# KiCad board EngineController.kicad_pcb (continued)
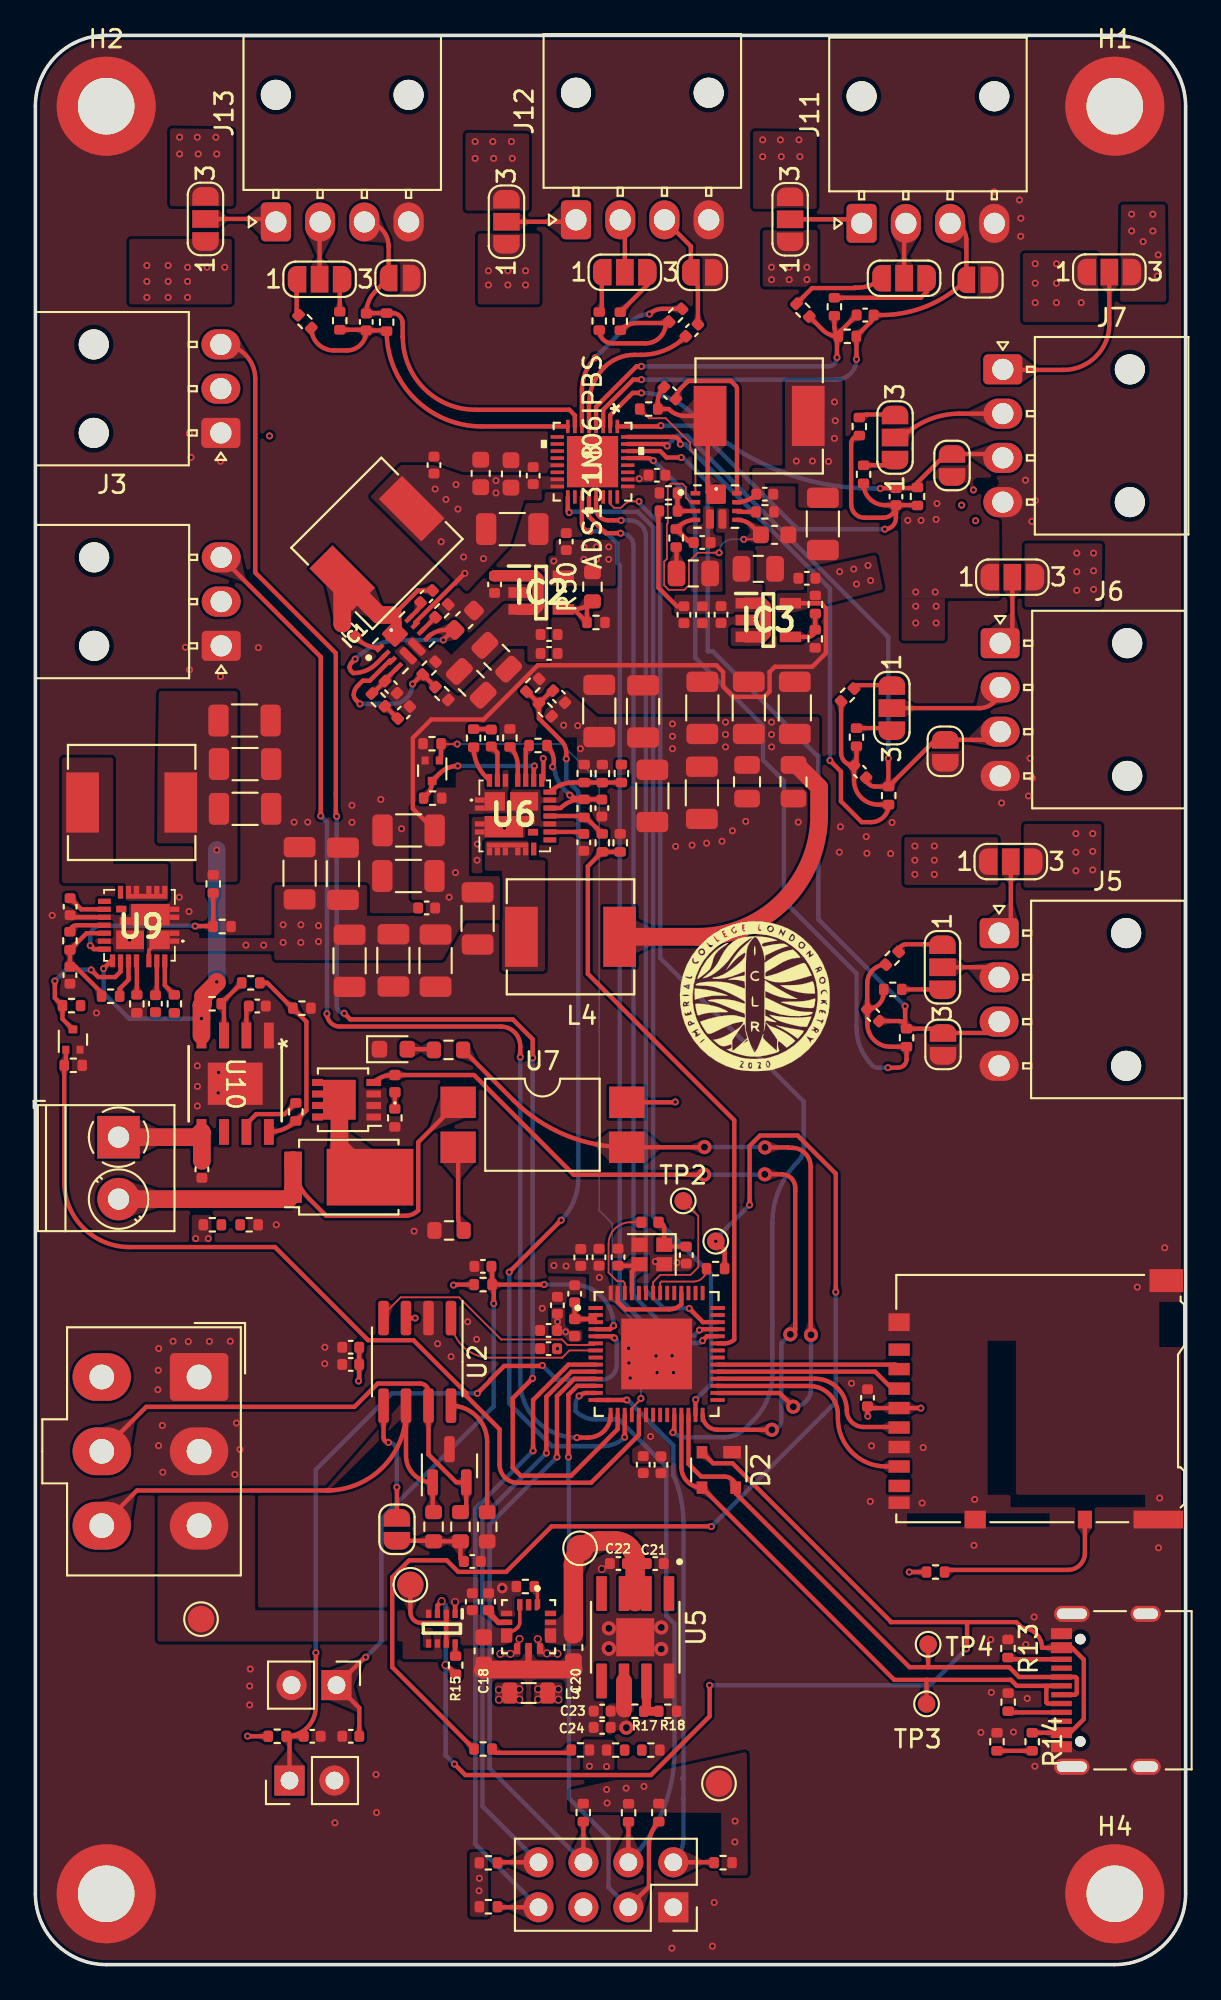
[diagram p0: board, top side]
## Footprints (pads in the part's own frame, mm; a bottom-side part is the same pattern mirrored in y, then rotated)
ADS131M06IRSNR
  rect 0.757x0.204 smd: 1(-1.992,1.4) 2(-1.992,1) 3(-1.992,0.6) 4(-1.992,0.2) 5(-1.992,-0.2) 6(-1.992,-0.6) 7(-1.992,-1) 8(-1.992,-1.4) 17(1.992,-1.4) 18(1.992,-1) 19(1.992,-0.6) 20(1.992,-0.2) 21(1.992,0.2) 22(1.992,0.6) 23(1.992,1) 24(1.992,1.4)
  rect 0.204x0.757 smd: 9(-1.4,-1.992) 10(-1,-1.992) 11(-0.6,-1.992) 12(-0.2,-1.992) 13(0.2,-1.992) 14(0.6,-1.992) 15(1,-1.992) 16(1.4,-1.992) 25(1.4,1.992) 26(1,1.992) 27(0.6,1.992) 28(0.2,1.992) 29(-0.2,1.992) 30(-0.6,1.992) 31(-1,1.992) 32(-1.4,1.992)
  rect 2.896x2.896 smd: 33(0,0)
C_0402_1005Metric
  rrect 0.56x0.62 smd: 1(-0.48,0) 2(0.48,0)
C_0603_1608Metric
  rrect 0.9x0.95 smd: 1(-0.775,0) 2(0.775,0)
C_0805_2012Metric
  rrect 1x1.45 smd: 1(-0.95,0) 2(0.95,0)
C_1206_3216Metric
  rrect 1.15x1.8 smd: 1(-1.475,0) 2(1.475,0)
CONV_MAX77827AEFD+T
  custom 0.635x0.31 smd: 1(-1.3,0.5) 2(-1.3,0) 3(-1.3,-0.5)
  custom 0.31x0.635 smd: 4(-0.8,-1.2) 5(-0.3,-1.2) 13(-0.3,1.3) 14(-0.8,1.3)
  custom 0.81x0.635 smd: 6(0.3,-1.2) 11(0.5,1.3)
  custom 0.635x0.36 smd: 8(1.1,-0.6) 9(1.1,0) 10(1.1,0.7)
Crystal_SMD_2016-4Pin_2.0x1.6mm
  rect 0.9x0.8 smd: 1(-0.7,-0.55) 2(0.7,-0.55) 3(0.7,0.55) 4(-0.7,0.55)
IC_TPS61089RNRR
  rrect 0.55x0.25 smd: 1(-1.175,0.75) 2(-1.175,0.25) 3(-1.175,-0.25) 4(-1.175,-0.75) 7(1.175,-0.75) 8(1.175,-0.25) 9(1.175,0.25) 10(1.175,0.75)
  rrect 0.45x1.1 smd: 5(-0.35,-0.7) 6(0.35,-0.7)
  rrect 1.1x1.1 smd: 11(0,0.7)
  round 0.3 hole 0.2: 12(0,1)
IND_SRP6540-390M
  rect 1.85x3.4 smd: 1(-2.775,0) 2(2.775,0)
L_0402_1005Metric
  rrect 0.59x0.64 smd: 1(-0.485,0) 2(0.485,0)
L_0805_2012Metric
  rrect 0.875x1.2 smd: 1(-1.062,0) 2(1.062,0)
LED_0402_1005Metric
  rrect 0.59x0.64 smd: 1(-0.485,0) 2(0.485,0)
LED_0603_1608Metric
  rrect 0.875x0.95 smd: 1(-0.787,0) 2(0.787,0)
LFPAK33
  rect 0.83x0.3 smd: (-1.535,0.975) (-1.535,0.325) (-1.535,-0.325) (-1.535,-0.975)
  rect 0.51x0.635 smd: (-0.215,0.626) (-0.215,-0.626) (0.645,0.626) (0.645,-0.626)
  rect 0.75x0.3 smd: (1.575,0.975) (1.575,0.325) (1.575,-0.325) (1.575,-0.975)
  rect 0.83x0.4 smd: 1(-1.535,0.975) 2(-1.535,0.325) 3(-1.535,-0.325) 4(-1.535,-0.975)
  custom 2.47x2.35 smd: 5(0.405,0)
microSD_HC_Hirose_DM3AT-SF-PEJM5
  rect 0.7x1.2 smd: 1(2.775,7.725) 2(1.675,7.725) 3(0.575,7.725) 4(-0.525,7.725) 5(-1.625,7.725) 6(-2.725,7.725) 7(-3.825,7.725) 8(-4.925,7.725) 9(-5.875,7.725)
  rect 1x0.8 smd: 10(-6.825,-2.775)
  rect 1x1.2 smd: 11(-6.825,3.425) 11(4.325,7.725)
  rect 1x2.8 smd: 11(-6.825,-6.925)
  rect 1.3x1.9 smd: 11(6.675,-7.375)
Molex_Mini-Fit_Jr_5566-06A_2x03_P4.20mm_Vertical
  rrect 2.7x3.3 hole 1.4: 1(0,0)
  oval 2.7x3.3 hole 1.4: 2(4.2,0) 3(8.4,0) 4(0,-5.5) 5(4.2,-5.5) 6(8.4,-5.5)
Molex_Nano-Fit_105313-xx03_1x03_P2.50mm_Horizontal
  round 1.7 hole 1.7 unplated: (7.18,0) (7.18,-5)
  rrect 2.2x1.7 hole 1.2: 1(0,0)
  oval 2.2x1.7 hole 1.2: 2(0,-2.5) 3(0,-5)
Molex_Nano-Fit_105313-xx04_1x04_P2.50mm_Horizontal
  round 1.7 hole 1.7 unplated: (7.18,0) (7.18,-7.5)
  rrect 2.2x1.7 hole 1.2: 1(0,0)
  oval 2.2x1.7 hole 1.2: 2(0,-2.5) 3(0,-5) 4(0,-7.5)
MountingHole_3.2mm_M3_DIN965_Pad
  round 5.6 hole 3.2: 1(0,0)
PinHeader_1x02_P2.54mm_Vertical
  rect 1.7x1.7 hole 1: 1(0,0)
  oval 1.7x1.7 hole 1: 2(0,-2.54)
PinSocket_2x04_P2.54mm_Vertical
  rect 1.7x1.7 hole 1: 1(0,0)
  oval 1.7x1.7 hole 1: 2(-2.54,0) 3(0,-2.54) 4(-2.54,-2.54) 5(0,-5.08) 6(-2.54,-5.08) 7(0,-7.62) 8(-2.54,-7.62)
QFN40P700X700X90-57N
  rrect 0.81x0.22 smd: 1(-3.445,2.6) 2(-3.445,2.2) 3(-3.445,1.8) 4(-3.445,1.4) 5(-3.445,1) 6(-3.445,0.6) 7(-3.445,0.2) 8(-3.445,-0.2) 9(-3.445,-0.6) 10(-3.445,-1) 11(-3.445,-1.4) 12(-3.445,-1.8) 13(-3.445,-2.2) 14(-3.445,-2.6) 29(3.445,-2.6) 30(3.445,-2.2) 31(3.445,-1.8) 32(3.445,-1.4) 33(3.445,-1) 34(3.445,-0.6) 35(3.445,-0.2) 36(3.445,0.2) 37(3.445,0.6) 38(3.445,1) 39(3.445,1.4) 40(3.445,1.8) 41(3.445,2.2) 42(3.445,2.6)
  rrect 0.22x0.81 smd: 15(-2.6,-3.445) 16(-2.2,-3.445) 17(-1.8,-3.445) 18(-1.4,-3.445) 19(-1,-3.445) 20(-0.6,-3.445) 21(-0.2,-3.445) 22(0.2,-3.445) 23(0.6,-3.445) 24(1,-3.445) 25(1.4,-3.445) 26(1.8,-3.445) 27(2.2,-3.445) 28(2.6,-3.445) 43(2.6,3.445) 44(2.2,3.445) 45(1.8,3.445) 46(1.4,3.445) 47(1,3.445) 48(0.6,3.445) 49(0.2,3.445) 50(-0.2,3.445) 51(-0.6,3.445) 52(-1,3.445) 53(-1.4,3.445) 54(-1.8,3.445) 55(-2.2,3.445) 56(-2.6,3.445)
  rect 4x4 smd: 57(0,0)
R_0402_1005Metric
  rrect 0.54x0.64 smd: 1(-0.51,0) 2(0.51,0)
R_0603_1608Metric
  rrect 0.8x0.95 smd: 1(-0.825,0) 2(0.825,0)
SiC437BEDT1GE3
  rect 0.55x0.3 smd: 1(-1.981,0.894) 2(-1.981,0.444) 3(-1.981,-0.456) 4(-1.981,-0.906)
  rect 0.3x0.45 smd: 5(-1.431,-2.006) 6(-0.981,-2.006) 7(-0.531,-2.006) 8(0.169,-2.006) 9(0.619,-2.006)
  rect 0.3x0.725 smd: 10(1.069,-1.869) 18(1.519,2.006) 19(1.069,2.006) 20(0.619,2.006) 21(0.169,2.006) 22(-0.531,2.006) 23(-0.981,2.006) 24(-1.431,2.006)
  rect 0.725x0.3 smd: 11(1.981,-1.356) 12(1.981,-0.906) 13(1.981,-0.456) 14(1.981,-0.006) 15(1.981,0.444) 16(1.981,0.894) 17(1.981,1.344)
  rect 1.575x1.05 smd: 25(0.531,0.819)
  rect 1.15x1.05 smd: 26(-1.131,0.819)
  rect 2.175x1.2 smd: 27(-0.619,-0.606)
  rect 0.58x0.38 smd: 28(1.029,-0.921)
  rect 0.65x0.455 smd: 29(0.794,-0.234)
  rect 2.35x0.275 smd: 30(-0.406,-1.644)
SMDIP-4_W9.53mm
  rect 2x1.78 smd: 1(-4.765,1.27) 2(-4.765,-1.27) 15(4.765,-1.27) 16(4.765,1.27)
SO-PP-DDA-8_TEX
  rect 1.46x0.559 smd: 1(-2.724,1.905) 2(-2.724,0.635) 3(-2.724,-0.635) 4(-2.724,-1.905) 5(2.724,-1.905) 6(2.724,-0.635) 7(2.724,0.635) 8(2.724,1.905)
  rect 2.388x3.099 smd: EPAD(0,0)
SOIC127P599X175-9N
  rrect 1.97x0.6 smd: 1(-2.47,1.905) 2(-2.47,0.635) 3(-2.47,-0.635) 4(-2.47,-1.905) 5(2.47,-1.905) 6(2.47,-0.635) 7(2.47,0.635) 8(2.47,1.905)
  rect 2.15x2.15 smd: 9(0,0)
SOIC-8_3.9x4.9mm_P1.27mm
  rrect 1.95x0.6 smd: 1(-2.475,1.905) 2(-2.475,0.635) 3(-2.475,-0.635) 4(-2.475,-1.905) 5(2.475,-1.905) 6(2.475,-0.635) 7(2.475,0.635) 8(2.475,1.905)
SolderJumper-2_P1.3mm_Open_RoundedPad1.0x1.5mm
  custom 1x1.5 smd: 1(-0.65,0) 2(0.65,0)
SolderJumper-3_P1.3mm_Open_RoundedPad1.0x1.5mm_NumberLabels
  custom 1.05x1.5 smd: 1(-1.3,0) 3(1.3,0)
  rect 1x1.5 smd: 2(0,0)
SOT95P282X145-5N
  rect 1.2x0.6 smd: 1(-1.25,0.95) 2(-1.25,0) 3(-1.25,-0.95) 4(1.25,-0.95) 5(1.25,0.95)
SOT-23
  rrect 1.475x0.6 smd: 1(-0.938,0.95) 2(-0.938,-0.95) 3(0.938,0)
SOT-143
  rect 0.7x1 smd: 1(-1,0.75)
  rect 0.7x0.6 smd: 2(-1,-0.95) 3(1,-0.95) 4(1,0.95)
SOT-723
  rect 0.45x0.4 smd: 1(-0.575,0.4) 2(-0.575,-0.4)
  rect 0.45x0.5 smd: 3(0.575,0)
SOTFL50P160X60-8N
  rect 0.475x0.3 smd: 1(-0.838,0.75) 2(-0.838,0.25) 3(-0.838,-0.25) 4(-0.838,-0.75) 5(0.838,-0.75) 6(0.838,-0.25) 7(0.838,0.25) 8(0.838,0.75)
TerminalBlock_Phoenix_PT-1,5-2-3.5-H_1x02_P3.50mm_Horizontal
  rect 2.4x2.4 hole 1.2: 1(0,0)
  round 2.4 hole 1.2: 2(3.5,0)
TestPoint_Pad_D1.0mm
  round 1 smd: 1(0,0)
TestPoint_Pad_D1.5mm
  round 1.5 smd: 1(0,0)
TO-277B
  rect 1.3x1.2 smd: (-0.9,0.6) (-0.9,-1.2) (-0.9,-3) (0.9,0.6) (0.9,-1.2) (0.9,-3)
  rect 0.95x1 smd: 1(-0.97,3.15) 2(0.97,3.15)
  rect 3.2x4.9 smd: 3(0,-1.2)
USB_C_Receptacle_Palconn_UTC16-G
  round 0.6 hole 0.6 unplated: (-2.89,1.45) (2.89,1.45)
  rect 0.6x1.16 smd: A1(-3.2,2.51) A4(-2.4,2.51) A9(2.4,2.51) A12(3.2,2.51) B1(3.2,2.51) B4(2.4,2.51) B9(-2.4,2.51) B12(-3.2,2.51)
  rect 0.3x1.16 smd: A5(-1.25,2.51) A6(-0.25,2.51) A7(0.25,2.51) A8(1.25,2.51) B5(1.75,2.51) B6(0.75,2.51) B7(-0.75,2.51) B8(-1.75,2.51)
  oval 0.9x2 hole 0.6x1.7: S1(-4.32,1.93) S1(4.32,1.93)
  oval 0.9x1.7 hole 0.6x1.4: S1(-4.32,-2.24) S1(4.32,-2.24)

## Nets
+3.3V: C1.1 C4.1 C5.1 C7.1 C9.1 C10.1 C11.1 C14.1 C15.1 C23.2 C24.2 C47.1 C49.1 C52.1 C64.1 C65.1 C71.1 C72.2 C81.1 C82.1 IC1.9 IC4.9 J8.5 J9.4 L1.1 L5.1 L6.1 R1.1 R2.1 R3.1 R4.2 R17.1 R59.1 R60.1 R61.1 R62.1 R63.1 R64.1 R66.1 TP7.1 U1.20 U1.46 U1.55 U1.56 U2.3 U5.6 U7.16 U8.15 U8.16 U8.26
+5V: C63.1 IC2.5 JP4.1 JP7.1 JP10.1 JP13.1 JP16.1 JP19.1 R50.2
+6V: C29.1 C31.1 C33.1 C37.1 C39.1 C41.1 C43.1 C44.1 C45.1 C46.1 J3.2 J4.2 L4.1 R20.2 R23.2 R28.2 U6.18
+12V: C27.1 C28.1 C30.1 C32.1 C34.1 C36.1 C38.1 C40.1 C42.1 C73.1 IC3.5 J1.4 JP4.3 JP7.3 JP10.3 JP13.3 JP16.3 JP19.3 R6.1 R27.2 R56.2 U6.1 U6.2 U6.22 U6.26 U9.1 U9.2 U9.22 U9.26
/buckC/VDD: C25.2 R19.1 R25.2 U6.15
/Pyro/VDD: C68.2 R57.1 R73.2 U9.15
/Pyro/Vin: R75.2
GND: 3V3LED1.1 12VLED1.1 BOOTJUMPER1.2 C1.2 C2.2 C3.2 C4.2 C5.2 C6.2 C7.2 C8.2 C9.2 C10.2 C11.2 C12.2 C13.2 C14.2 C15.2 C16.2 C17.2 C18.2 C19.2 C20.2 C21.2 C22.2 C23.1 C24.1 C25.1 C26.1 C27.2 C28.2 C29.2 C30.2 C31.2 C32.2 C33.2 C34.2 C36.2 C37.2 C38.2 C39.2 C40.2 C41.2 C42.2 C43.2 C44.2 C45.2 C47.2 C49.2 C52.2 C56.2 C57.2 C58.2 C59.2 C60.2 C61.2 C63.2 C64.2 C65.2 C66.2 C67.2 C68.1 C69.2 C70.1 C71.2 C72.1 C73.2 C74.2 C75.2 C76.2 C77.2 C78.2 C79.2 C81.2 C82.2 C85.2 C87.2 C89.2 C92.1 C93.1 D1.3 D2.1 D6.1 ENJUMPER1.2 H1.1 H2.1 H3.1 H4.1 IC1.5 IC2.2 IC3.2 IC4.5 J1.1 J1.2 J2.A1 J2.A12 J2.B1 J2.B12 J2.S1 J3.1 J4.1 J5.4 J6.4 J7.4 J8.1 J9.6 J9.9 J9.11 J11.4 J12.4 J13.4 JP3.1 JP6.1 JP9.1 JP12.1 JP15.1 JP18.1 Q1.2 Q2.1 Q2.2 Q2.3 Q3.2 R8.1 R9.2 R12.2 R13.1 R16.2 R18.2 R21.1 R24.1 R26.2 R29.1 R47.1 R48.1 R49.1 R55.1 R65.2 R67.1 R70.2 R72.1 R74.2 R78.2 R86.1 R87.1 U1.57 U2.2 U3.1 U3.4 U3.5 U4.4 U4.9 U5.8 U5.9 U6.3 U6.4 U6.13 U6.16 U6.25 U6.27 U6.29 U8.13 U8.25 U9.3 U9.4 U9.13 U9.16 U9.25 U9.27 U9.29 U10.1 U10.EPAD USBLED1.1 Y1.2 Y1.4
VBUS: D2.2 J2.A4 J2.A9 J2.B4 J2.B9 R14.1 R15.1 U3.3
/actuators/GPIO0: J8.2 R59.2
/actuators/GPIO1: J8.3 R60.2
/actuators/GPIO2: J8.4 R61.2
/actuators/GPIO3: J8.6 R62.2
/actuators/GPIO4: J8.7 R63.2
/actuators/GPIO5: J8.8 R64.2
/ADS_CLK: U1.24 U8.23
/ADS_CS0: U1.27 U8.17
/Boosts/FB_5V: IC1.3 R46.1 R47.2
/Boosts/FB_10V: IC4.3 R85.1 R86.2
/Boosts/LDO5.5V_IN: C59.1 C60.1 C61.1 C66.1 C67.1 IC1.6 IC2.1 IC2.3 R46.2
/Boosts/LDO12V_IN: C69.1 C74.1 C75.1 C79.1 IC3.1 IC3.3 IC4.6 R85.2
/Boosts/SW_5V: IC1.1 R51.1
/Boosts/SW_10V: IC4.1 R88.1
/BOOT: BOOTJUMPER1.1 C8.1 R3.2 U1.5
/buckC/BOOT: C35.1 U6.23
/buckC/BUCKC_EN: Q1.1 R24.2
/buckC/EN: Q1.3 R27.1 U6.19
/buckC/FB: R20.1 R21.2 R23.1 U6.17
/buckC/PGOOD: R7.2 R19.2 U6.14
/buckC/PHASE: R22.1 U6.24
/buckC/SW: L4.2 U6.5 U6.6 U6.7 U6.8 U6.9 U6.30
/BUCKC_EN: U1.18
/BUCKP_EN: U1.19
/BuckPGOOD: R7.1 R8.2 U1.37
/CAN+: D1.2 J1.5 R10.1 U2.7
/CAN-: D1.1 J1.6 R11.2 U2.6
/CAN-BUS/Vref: JP1.1 U2.5
/CAN_RX: U1.6 U2.4
/CAN_TX: U1.7 U2.1
/CHIP_PU: C2.1 C3.1 ENJUMPER1.1 R1.2 U1.4
/Cont 1: U1.30
/Data+: D2.4 J2.A6 J2.B6 TP4.1 U1.26
/Data-: D2.3 J2.A7 J2.B7 TP3.1 U1.25
/GPIO0: U1.14
/GPIO1: U1.12
/GPIO2: U1.13
/GPIO3: U1.11
/GPIO4: U1.9
/GPIO5: U1.10
/HSPI_MISO: U1.39 U8.20
/HSPI_MOSI: U1.40 U8.21
/HSPI_SCLK: U1.38 U8.19
/microSD/SD1_CS: J9.2
/microSD/SD1_DET: J9.10 R66.2
/microSD/VSPI_MISO: J9.7
/microSD/VSPI_MOSI: J9.3
/microSD/VSPI_SCLK: J9.5
/Nuke 1: U1.28
/Power/BBIN: C17.1 C18.1 TP5.1 U3.2 U3.7 U4.3 U4.6
/Power/BBOUT: C20.1 C21.1 C22.1 TP8.1 U4.11 U4.13 U5.2 U5.3
/Power/BIAS: C19.1 U4.5
/Power/FBIn: R17.2 R18.1 U5.7
/Power/LX1: L3.1 U4.8
/Power/LX2: L3.2 U4.10
/Power/SEL: R16.1 U4.1
/pressure_sensor/AIN0N: C48.2 J5.3 JP3.2 R32.2 U8.30
/pressure_sensor/AIN0P: C48.1 R30.2 R31.2 R32.1 U8.29
/pressure_sensor/AIN1N: C50.2 J6.3 JP6.2 R35.2 U8.31
/pressure_sensor/AIN1P: C50.1 R33.2 R34.2 R35.1 U8.32
/pressure_sensor/AIN2N: C51.2 J7.3 JP9.2 R38.2 U8.2
/pressure_sensor/AIN2P: C51.1 R36.2 R37.2 R38.1 U8.1
/pressure_sensor/AIN3N: C53.2 J11.3 JP12.2 R41.2 U8.3
/pressure_sensor/AIN3P: C53.1 R39.2 R40.2 R41.1 U8.4
/pressure_sensor/AIN4N: C54.2 J12.3 JP15.2 R44.2 U8.6
/pressure_sensor/AIN4P: C54.1 R42.2 R43.2 R44.1 U8.5
/pressure_sensor/AIN5N: C55.2 J13.3 JP18.2 R54.2 U8.7
/pressure_sensor/AIN5P: C55.1 R52.2 R53.2 R54.1 U8.8
/Pyro/BOOT: C91.1 U9.23
/Pyro/BUCKP_EN: Q3.1 R72.2
/Pyro/Cont1: R68.1 U7.15
/Pyro/EFuse_In: C85.1 C87.1 C89.1 L7.1 R58.2 R76.2 U9.18 U10.4
/Pyro/EN: Q3.3 R75.1 U9.19
/Pyro/FB: R58.1 R67.2 U9.17
/Pyro/Nuke 1: Firing1.2 Q2.4
/Pyro/PGOOD: R57.2 U9.14
/Pyro/PHASE: R69.1 U9.24
/Pyro/PyroV: C93.2 J10.1 U10.5
/Pyro/SW: L7.2 U9.5 U9.6 U9.7 U9.8 U9.9 U9.30
/RXD: TP2.1 U1.50
/SD1_CS: U1.34
/Servo1PWM: J3.3 U1.16
/Servo2PWM: J4.3 U1.15
/ServoV_LOG: C46.2 R28.1 R29.2 U1.17
/TXD: R5.1 TP1.1 TXLED1.1
/VSPI_MISO: U1.31
/VSPI_MOSI: U1.33
/VSPI_SCLK: U1.32
RBUS_uC_V: J1.3 TP6.1 U3.6
Net-(3V3LED1-A): 3V3LED1.2 R4.1
Net-(12VLED1-A): 12VLED1.2 R6.2
Net-(C6-Pad1): C6.1 L1.2 U1.2 U1.3
Net-(C13-Pad1): C13.1 L2.2 Y1.1
Net-(C35-Pad2): C35.2 R22.2
Net-(C58-Pad1): C58.1 R45.2
Net-(C78-Pad1): C78.1 R84.2
Net-(C91-Pad2): C91.2 R69.2
Net-(D4-K): D4.3 Q2.5
Net-(D6-A): D6.2 R68.2
Net-(Firing1-K): Firing1.1 R65.1
Net-(IC1-BOOT): C62.1 IC1.10
Net-(IC1-COMP): C57.1 IC1.4 R45.1
Net-(IC1-EN): C56.1 IC1.2 IC1.7
Net-(IC1-ILIM): IC1.8 R48.2
Net-(IC1-SW): C62.2 IC1.11 L5.2 R51.2
Net-(IC2-ADJ/NC): IC2.4 R49.2 R50.1
Net-(IC3-ADJ/NC): IC3.4 R55.2 R56.1
Net-(IC4-BOOT): C80.1 IC4.10
Net-(IC4-COMP): C77.1 IC4.4 R84.1
Net-(IC4-EN): C76.1 IC4.2 IC4.7
Net-(IC4-ILIM): IC4.8 R87.2
Net-(IC4-SW): C80.2 IC4.11 L6.2 R88.2
Net-(J2-CC1): J2.A5 R12.1
Net-(J2-CC2): J2.B5 R13.2
Net-(J10-Pin_2): D4.1 D4.2 J10.2 U7.1
Net-(JP1-B): C16.1 JP1.2 R10.2 R11.1
Net-(JP2-A): JP2.1 R31.1
Net-(JP2-B): JP2.3 R30.1
Net-(JP2-C): J5.2 JP2.2
Net-(JP4-C): J5.1 JP4.2
Net-(JP5-A): JP5.1 R34.1
Net-(JP5-B): JP5.3 R33.1
Net-(JP5-C): J6.2 JP5.2
Net-(JP7-C): J6.1 JP7.2
Net-(JP8-A): JP8.1 R37.1
Net-(JP8-B): JP8.3 R36.1
Net-(JP8-C): J7.2 JP8.2
Net-(JP10-C): J7.1 JP10.2
Net-(JP11-A): JP11.1 R40.1
Net-(JP11-B): JP11.3 R39.1
Net-(JP11-C): J11.2 JP11.2
Net-(JP13-C): J11.1 JP13.2
Net-(JP14-A): JP14.1 R43.1
Net-(JP14-B): JP14.3 R42.1
Net-(JP14-C): J12.2 JP14.2
Net-(JP16-C): J12.1 JP16.2
Net-(JP17-A): JP17.1 R53.1
Net-(JP17-B): JP17.3 R52.1
Net-(JP17-C): J13.2 JP17.2
Net-(JP19-C): J13.1 JP19.2
Net-(R70-Pad1): R70.1 U7.2
Net-(TXLED1-A): R2.2 TXLED1.2
Net-(U1-U0TXD/PROG/GPIO43): R5.2 U1.49
Net-(U1-XTAL_N): C12.1 U1.53 Y1.3
Net-(U1-XTAL_P): L2.1 U1.54
Net-(U2-Rs): R9.1 U2.8
Net-(U3-ST): R15.2 U3.8
Net-(U6-_MODE_1): R26.1 U6.21
Net-(U6-MODE_2): R25.1 U6.20
Net-(U6-V_DRV): C26.2 U6.12
Net-(U9-_MODE_1): R74.1 U9.21
Net-(U9-MODE_2): R73.1 U9.20
Net-(U9-V_DRV): C70.2 U9.12
Net-(U10-dVdt): C92.2 U10.2
Net-(U10-EN/UVLO): R76.1 R77.2 U10.3
Net-(U10-ILM): R79.1 U10.7
Net-(U10-OVLO/OVCSEL): R77.1 R78.1 R79.2 U10.8
Net-(USBLED1-A): R14.2 USBLED1.2

Pads without a net: IC1 12; IC4 12; J2 A8 B8; J9 1 8; U1 1 8 21 22 23 29 35 36 41 42 43 44 45 47 48 51 52; U4 2 14; U5 1 4 5; U6 10 11 28; U8 9 10 11 12 14 18 22 24 27 28 33; U9 10 11 28; U10 6

## Via types
v1: diameter 0.4, hole 0.2, Top to Bottom, 360 vias
v2: diameter 0.6, hole 0.3, Top to Bottom, 1 via
v3: diameter 0.45, hole 0.3, Top to Bottom, 18 vias
v4: diameter 0.8, hole 0.4, Top to Bottom, 14 vias

## Routing (per net, layer and track width the routed paths; a pad name or vN(x,y) marks a point on that pad's centre or on a via; arc(x,y) is an arc through that point)
+3.3V: length 25.2
  Top w0.25: R3.1 12,12.9 v1(11.99,12.91) ; R1.1 23.66,38.42 v1(23.63,38.39) ; U2.3 21.46,36.53 v1(21.46,36.53) ; v1(47.04,30.98) 47.02,31 C47.1 arc(47.05,31.47) 47.12,31.45 50.03,31.45 v1(50.04,31.44) ; v1(18.26,32.97) 18.3,33.01 C14.1 C15.1 ; v1(36.16,48.74) 36.14,48.72 U7.16 ; 36.5,37.95 36.5,37.31 arc(36.19,37.09) 35.81,37.02 33.34,37.02 32.91,37.45 32.91,37.95 ; IC1.9 21.47,75.83 24.25,78.61 v1(24.27,78.61) ; R66.1 v1(49.38,22.18) ; 27.07,83.65 C52.1 ; 25.19,83.45 C49.1 ; IC4.9 arc(40.24,82.75) 40.74,83.08
  Top w0.9: U5.6 33.26,14.42
  Bottom w0.25: v1(24.27,78.61) 23.77,78.11 23.77,78
  vias: v1(22.59,83.37) v1(22.93,80.39) v1(23.2,82.78) v1(23.77,83.62) v1(23.88,82.24) v1(24.2,79.53) v1(25.09,4.88) v1(25.07,4.17) v1(25.32,79.44) v1(26.02,83.85) v1(26.02,83.15) v1(29.3,39.5) v1(29.51,36.32) v1(29.5,34.8) v1(29.99,39.47) v1(29.97,35.75) v1(31.31,11.21) v1(31.87,38.82) v1(32.28,11.19) v1(32.28,9.89) v1(32.31,9.13) v1(33.38,9.97) v1(34.12,83.95) v1(34.39,10.07) v1(34.76,29.84) v1(39.54,8.11) v1(39.53,6.93) v1(43,84.95) v1(43.91,84.95) v1(44.82,84.93) v1(45.16,88.29) v1(45.2,87.23) v1(45.15,86.23) v4(33.39,13.39)
+5V:
  vias: v1(6.3,96) v1(6.3,95.1) v1(6.3,94.2) v1(7.5,96) v1(7.5,95.1) v1(7.5,94.2) v1(8.6,95.9) v1(8.6,95.1) v1(8.6,94.2) v1(9.7,95.9) v1(10.7,95.9) v1(25.6,95.7) v1(25.6,94.9) v1(26.7,95.7) v1(26.7,94.9) v1(27.7,95.7) v1(27.7,94.9) v1(29.3,79.3) v1(31,80.1) v1(31,79.4) v1(31.7,80.1) v1(31.7,79.4) v1(32.4,80.1) v1(32.4,79.4) v1(41.6,95.9) v1(41.6,95.2) v1(42.6,95.9) v1(42.6,95.2) v1(43.6,95.9) v1(43.6,95.2) v1(49.3,81.6) v1(49.7,63.2) v1(49.7,62.4) v1(49.7,61.6) v1(49.75,77.55) v1(49.75,76.75) v1(49.75,75.8) v1(50.05,81.6) v1(50.8,63.2) v1(50.8,62.4) v1(50.8,61.6) v1(50.9,81.65) v1(50.85,77.55) v1(50.9,76.75) v1(50.9,75.8) v1(50.95,82.55) v1(56.5,96.1) v1(56.5,95) v1(56.5,93.9) v1(57.7,96.1) v1(57.7,95) v1(57.7,93.9) v1(59.1,93.9)
+6V: length 20
  Top w0.25: U6.18 28.71,67.01 28.71,68.13 arc(28.71,68.14) v1(28.7,68.15)
  Top w1: C41.1 43.03,67.78 44.29,66.52 44.29,64.95 arc(42.27,60.09) 37.41,58.07 L4.1
  vias: v1(13.23,86.37) v1(29.85,70.03) v1(30.65,70) v1(30.8,68.7) v1(36,70.1) v1(36,69.4) v1(36,68.7) v1(39,70.2) v1(39,69.5) v1(39,68.8) v1(41.6,70.2) v1(41.6,69.5) v1(41.6,68.8)
+12V: length 39.8
  Top w0.2: U9.26 6.41,57.3 6.41,56.71
  Top w0.25: IC3.5 44.4,76.92 44.67,76.65 44.67,74.1 43.9,73.33 41.79,73.33 41.49,73.03 41.49,71.93 41.19,71.63 39.44,71.63 38.86,72.21 38.86,73.03 38.49,73.41 28.39,73.41 25.33,70.35 22.37,70.35 21.33,69.31 21.33,65.32 C28.1
  vias: v1(8.15,103.25) v1(8.15,102.3) v1(9.06,41.02) v1(9.15,103.25) v1(9.2,102.3) v1(9.77,41.02) v1(10.2,103.25) v1(10.25,102.3) v1(11.9,57.6) v1(12.9,57.6) v1(14,58.75) v1(14,57.75) v1(15,58.75) v1(15,57.75) v1(16,58.7) v1(16,57.8) v1(23.38,60.31) v1(23.74,61.7) v1(24.85,103) v1(24.85,102.05) v1(25.85,103) v1(25.9,102.05) v1(26.9,103) v1(26.95,102.05) v1(41.1,103.1) v1(41.1,102.15) v1(42.1,103.1) v1(42.15,102.15) v1(43.15,103.1) v1(43.2,102.15) v1(45.45,78.7) v1(46.25,78.85) v1(46.4,78) v1(47.05,79.05) v1(47.2,78.2) v1(58.8,63.9) v1(58.8,62.85) v1(58.8,61.8) v1(58.85,79.75) v1(58.85,78.7) v1(58.85,77.65) v1(59.8,79.75) v1(59.8,78.75) v1(59.8,77.7) v1(59.75,63.9) v1(59.75,62.9) v1(59.75,61.85) v1(61.95,98.9) v1(61.95,97.95) v1(62.6,97.35) v1(63.15,98.9) v1(63.15,97.95) v1(63.4,95.4) v1(63.45,96.6)
/buckC/VDD: length 7.1
  Top w0.25: 29.3,67.88 29.3,67.95 arc(29.2,68.45) R25.2 ; U6.15 29.68,65.35 arc(30.23,65.71) 30.87,65.84 R19.1 ; R19.1 30.88,65.84 arc(30.47,65.92) 30.12,66.15 ; R19.1 31.99,65.84 arc(32,65.83) C25.2
  Bottom w0.25: 30.12,66.15 29.94,66.34 arc(29.47,67.04) 29.3,67.88
  vias: v1(29.22,67.67) v1(30.2,66.08)
/Pyro/VDD: length 5.9
  Top w0.25: R73.2 3.74,54.9 2.26,56.38 C68.2 R57.1 2.89,58.28 3.9,58.28
GND: length 8.9
  Top w0.25: 3.9,59.17 2.08,59.17 arc(2,59.21) C70.1 ; 27.87,16.86 27.86,16.85 ; 23.72,19.91 v3(23.72,20.49)
  Top w0.36: 27.87,17.99 27.87,16.86
  Top w1: 30.42,16.69 30.4,16.67 25.28,16.67
  vias: v1(0.95,59.28) v1(3.45,53.77) v1(5.32,57.89) v1(6.42,59.37) v1(6.92,32.48) v1(6.97,34.81) v1(6.94,33.58) v1(6.96,29.32) v1(7.17,30.46) v1(7.2,27.82) v1(7.78,35.22) v1(8.13,60.31) v1(8.48,74.43) v1(8.7,86.51) v1(8.71,73.16) v1(8.68,59.5) v1(8.64,35.2) v1(8.8,85.16) v1(9.15,50.78) v1(9.16,49.62) v1(9.15,48.51) v1(9.83,35.21) v1(10.35,50.41) v1(10.33,49.25) v1(10.46,84.94) v1(10.46,72.78) v1(11.01,35.22) v1(11.27,27.69) v1(11.36,30.6) v1(11.56,29.11) v1(12.11,15.74) v1(12.11,14.67) v1(12.14,16.7) v1(12.6,74.41) v1(13.61,41.8) v1(14.62,64.55) v1(15.39,64.55) v1(16.36,34.88) v1(16.35,33.95) v1(16.93,8.01) v1(17.89,65.5) v1(17.89,64.54) v1(19.25,10.74) v1(19.28,8.59) v1(19.52,65.83) v1(20.69,64.18) v1(21.4,41.44) v1(22.73,35.08) v1(23.49,34.35) v1(24.43,36.32) v1(24.98,63.31) v1(24.96,62.4) v1(24.93,35.33) v1(26.5,64.22) v1(27.63,65.7) v1(28.64,37.08) v1(33.53,34.82) v1(33.54,33.99) v1(33.61,33.14) v1(35.03,39.72) v1(35.07,34.39) v1(35.13,33.45) v1(35.98,34.4) v1(35.97,0.93) v1(36.06,33.45) v1(36.18,63.18) v1(36.26,39.66) v1(37.11,63.25) v1(37.93,63.36) v1(38.26,1.04) v1(38.36,3.51) v1(38.8,63.47) v1(39.39,64.06) v1(40.14,64.59) v1(43.11,64.55) v1(45.49,64.29) v1(45.43,62.85) v1(46.12,32.84) v1(46.95,63.73) v1(46.99,62.79) v1(47.18,26.17) v1(47.25,29.31) v1(48.41,64.53) v1(48.33,62.77) v1(50.11,26.08) v1(50.17,29.21) v1(52.34,82.46) v1(53.01,83.32) v1(53.08,26.28) v1(53.04,23.69) v1(53.13,81.58) v1(53.43,13.12) v1(53.99,18.36) v1(54.02,15.38) v1(54.18,100.16) v1(54.6,65.63) v1(55.27,13.14) v1(55.61,99.7) v1(55.69,98.67) v1(55.68,97.65) v1(55.95,83.87) v1(55.97,18.08) v1(56.12,66.03) v1(56.05,15.04) v1(56.21,68.16) v1(56.31,81.54) v1(56.33,67.04) v1(56.51,82.72) v1(56.44,19.64) v1(56.48,11.21) v1(62.27,38.28) v1(63.47,23.55) v1(63.53,26.36) v1(63.82,40.5) v2(26.38,21.27) v3(32.01,22.35) v4(32.41,19) v4(32.41,17.86) v4(32.41,17.86) v4(35.37,19.05) v4(35.37,17.83)
VBUS: length 79
  Top w0.25: v1(52.62,17.84) 52.65,17.87 52.65,19.35 ; 52.65,19.35 48.34,19.35 48.34,19.38 39.39,28.32 38.29,28.32 D2.2 ; 52.65,19.35 55.44,19.35 55.76,19.02 arc(56.56,18.69) 56.88,17.9 J2.A9 58.58,17.9 59.24,17.23 59.24,13.87 58.47,13.1 J2.A4 R14.1 ; v3(23.18,16.92) 23.24,16.92 R15.1 23.81,16.41 ; 22.72,19.91 22.72,20.3 v3(22.96,20.54) ; v1(38.1,15.78) 38.1,14.03 34.78,10.71 24.3,10.71 v1(23.68,11.33)
  Bottom w0.25: v1(23.68,11.33) 23.18,11.83 v3(23.18,16.92) 23.18,20.32 v3(22.96,20.54) ; v1(38.1,15.78) 50.56,15.78 v1(52.62,17.84)
/actuators/GPIO0: length 31.6
  Top w0.25: v1(33.42,31.9) 32.37,31.9 32.37,31.9 arc(32.34,31.9) 32.32,31.9 31.66,31.9 ; J8.2 38.3,5.78 arc(38.33,5.77) R59.2
  Bottom w0.25: v1(33.42,31.9) 33.47,31.9 36.05,29.33 36.05,27.63 36.08,27.6 arc(36.49,26.31) 36.62,24.97 36.62,10.58 36.56,10.51 36.62,10.44 36.62,9.37 36.6,9.34 36.62,9.31 36.62,7.17 arc(36.48,6.42) J8.2
/actuators/GPIO1: length 37.6
  Top w0.25: 31.66,32.7 30.62,32.7 30.12,32.2 30.12,28.68 v1(30.12,28.67) ; J8.3 34.67,4.4 34.67,6.74 arc(34.82,7.46) R60.2
  Bottom w0.25: J8.3 32.38,4.37 32.38,7.16 30.15,9.4 30.15,27.17 arc(30.13,27.2) 30.12,27.24 v1(30.12,28.67)
/actuators/GPIO2: length 33.8
  Top w0.25: J8.4 33.51,8.05 arc(33.51,8.06) R61.2 ; 31.66,32.3 31.15,32.3 arc(30.92,32.25) v1(30.72,32.12)
  Bottom w0.25: J8.4 arc(35.44,8.67) 36.12,12.08 36.12,19.25 35.65,19.72 35.65,28.13 32.98,30.8 31.67,30.8 arc(31.05,30.92) 30.52,31.28 30.52,31.64 arc(30.58,31.9) v1(30.72,32.12)
/actuators/GPIO3: length 35
  Top w0.25: 31.66,33.1 30.46,33.1 29.47,32.12 v1(29.47,28.67) ; 30.97,5.78 30.97,8.06 arc(30.97,8.07) R62.2
  Bottom w0.25: v1(29.47,28.67) 25.67,24.87 25.67,11.08 30.97,5.78
/actuators/GPIO4: length 38.2
  Top w0.25: v1(28.12,29.03) 28.12,31.9 30.13,33.9 31.66,33.9 ; J8.7 26.18,3.24 arc(26.14,3.25) R63.2
  Bottom w0.25: J8.7 24.87,6.8 24.87,25.77 v1(28.12,29.03)
/actuators/GPIO5: length 34.8
  Top w0.25: 31.66,33.5 30.29,33.5 28.88,32.08 v1(28.88,28.9) ; J8.8 26.18,5.78 arc(26.14,5.77) R64.2
  Bottom w0.25: v1(28.88,28.9) 25.27,25.29 25.27,8.94 J8.8
/ADS_CLK: length 64.7
  Top w0.1: v1(34.11,82.67) 33.75,82.67 arc(33.74,82.67) 33.73,82.68 arc(33.49,82.63) 33.29,82.5 33.14,82.35 arc(33.1,82.32) 33.04,82.31 32.7,82.31 32.49,82.52 U8.23
  Top w0.25: U1.24 36.1,30.11 36.07,30.07
  Bottom w0.25: v1(34.11,82.67) 34.08,82.64 arc(34.08,82.63) 34.07,82.62 35.31,81.39 35.31,56.87 43.41,48.77 43.41,46.14 arc(43.33,45.72) 43.09,45.37 arc(42.02,43.77) 41.65,41.89 41.65,33.34 arc(41.37,31.95) 40.58,30.76 40.13,30.31 arc(39.55,29.92) 38.88,29.79 36.75,29.79 arc(36.38,29.86) 36.07,30.07
  vias: v1(36.02,30.06)
/ADS_CS0: length 57.9
  Top w0.25: U1.27 37.3,31.91 v1(37.31,31.92) ; v1(30.17,82.04) 30.08,82.12 U8.17
  Bottom w0.25: v1(30.17,82.04) 30.2,82.08 34.05,82.08 34.91,81.22 34.91,42.28 38.18,39.01 38.18,32.79 v1(37.31,31.92)
/Boosts/FB_5V: length 9.2
  Top w0.25: v1(21.31,72.35) 21.83,72.87 arc(21.86,72.89) R46.1 22.61,72.18 arc(22.61,72.18) R47.2 ; IC1.3 20.04,73.68 18.9,72.54 18.5,72.54 18.2,72.24 arc(18.04,72.01) 17.99,71.74 arc(18.02,71.59) 18.1,71.47 v1(18.34,71.23)
  Bottom w0.25: v1(18.34,71.23) 20.19,71.23 arc(20.98,71.56) v1(21.31,72.35)
/Boosts/FB_10V: length 2
  Top w0.25: R86.2 R85.1 arc(36.29,82.13) 36.29,82.13 IC4.3
/Boosts/LDO5.5V_IN: length 5.2
  Top w0.645: IC2.3 28.22,76.57 28.41,76.75 28.41,78.29 28.22,78.47 IC2.1 25.96,78.47 arc(25.95,78.47) C59.1
/Boosts/LDO12V_IN: length 10.1
  Top w0.25: R85.2 35.2,82.06 35.2,77.8 36.25,76.75 C75.1
  Top w0.645: IC3.3 41.06,75.02 41.24,75.19 41.24,76.74 41.06,76.92 IC3.1
/Boosts/SW_5V: length 1.6
  Top w0.25: R51.1 18.18,74.92 arc(18.77,74.53) IC1.1
/Boosts/SW_10V: length 6.6
  Top w0.1: R88.1 34.67,87.37 35.62,87.37 37,85.99 37,85.6 37.3,85.3 37.3,83.13 IC4.1
/BOOT: length 42.6
  Top w0.25: v1(32.72,35.4) 32.62,35.5 U1.5 ; R3.2 C8.1 ; R3.2 arc(14.31,12.85) 14.36,12.71 BOOTJUMPER1.1 ; R3.2 arc(15.36,13.39) 15.85,14.57 v1(15.85,17.62) ; v1(28.65,33.85) 28.62,33.83 26.49,33.83 25.71,33.04 arc(25.69,33.01) 25.68,32.98 v1(24.97,32.28)
  Bottom w0.25: v1(15.85,17.62) 15.85,27.98 20.15,32.28 v1(24.97,32.28) ; v1(28.65,33.85) 29.45,33.05 32.02,33.05 arc(32.61,33.29) 32.85,33.88 32.85,35.28 arc(32.81,35.36) v1(32.72,35.4)
/buckC/BOOT: length 2.1
  Top w0.25: C35.1 26.11,68.48 U6.23
/buckC/BUCKC_EN: length 47.8
  Top w0.1: 33.7,31.06 33.7,31.44 34.22,31.96 v1(34.22,31.99) ; R24.2 22.95,68.96 v1(23.84,68.96)
  Top w0.25: R24.2 22.93,68.27 arc(22.9,68.14) Q1.1
  Bottom w0.1: v1(23.84,68.96) 29.74,68.96 31.86,66.84 31.86,42.61 32.6,41.87 32.6,37.57 34.22,35.95 v1(34.22,31.99)
/buckC/EN: length 8
  Top w0.25: R27.1 22.08,66.04 arc(22.33,66.43) Q1.3 22.84,67.3 arc(23.32,67.61) v1(23.88,67.73) ; U6.19 28.16,67.7 arc(28.16,67.71) 28.15,67.73
  Bottom w0.25: 28.15,67.73 v1(23.88,67.73)
  vias: v1(28.2,67.73)
/buckC/FB: length 4.2
  Top w0.25: R21.2 R20.1 30.38,66.79 arc(29.67,66.65) U6.17
/buckC/PGOOD: length 3.4
  Top w0.25: R7.2 31.18,64.75 arc(31.1,64.8) R19.2 arc(30.92,64.88) 30.82,64.9 U6.14
/buckC/PHASE: length 2.1
  Top w0.25: U6.24 25.46,67.11 arc(24.95,67.88) R22.1
/BuckPGOOD: length 33.3
  Top w0.25: R8.2 R7.1 31.22,62.06 31.22,55.98 39.49,47.7 39.49,35.32 arc(39.25,35.16) 38.96,35.1 U1.37
/CAN+: length 28.5
  Top w0.25: J1.5 6.26,31.51 18.03,31.51 19.34,32.83 21.75,32.83 arc(22.08,32.69) 22.21,32.36 22.21,28.82 23.79,27.25 24.35,27.25 24.35,25.9 arc(24.25,25.66) R10.1
/CAN-: length 28
  Top w0.25: 16.46,26.79 5.74,26.79 J1.6 ; 16.46,26.79 arc(16.46,26.79) 16.47,26.79 16.67,26.79 ; 16.46,26.79 arc(19.63,28.1) 20.94,31.27 U2.6 20.94,28.75 arc(21.39,27.69) D1.1 22.45,25.62 arc(22.46,25.58) R11.2
/CAN-BUS/Vref: length 6.8
  Top w0.25: JP1.1 20.43,26.97 arc(20.43,26.97) v1(20.42,26.98) ; U2.5 19.67,29.78 arc(19.75,29.58) v1(19.95,29.5)
  Bottom w0.25: v1(20.42,26.98) 20.42,29.03 arc(20.29,29.36) v1(19.95,29.5)
/CAN_RX: length 13.7
  Top w0.1: U1.6 31.57,35.01 30.06,35.01 29.75,35.32 26.32,35.32 23.94,37.7 20.64,37.7 19.67,36.73 U2.4
/CAN_TX: length 9.6
  Top w0.1: U1.7 30.17,34.7 29.76,34.29 25.72,34.29 arc(24.14,34.95) U2.1
/CHIP_PU: length 40.2
  Top w0.25: v1(18.67,17.37) 18.62,17.37 17.03,15.77 arc(17.02,15.78) ENJUMPER1.1 18.3,14.5 C3.1 ; 25.81,38.42 25.81,39.41 arc(25.8,39.44) C2.1 ; 25.81,38.42 28.74,38.42 arc(28.75,38.42) 28.75,38.42 28.75,38.42 v1(28.75,38.42) ; 25.81,38.42 arc(25.87,38.39) 25.9,38.33 v1(25.9,37.35) ; v1(32.67,36.1) 32.47,35.9 U1.4
  Bottom w0.25: v1(18.67,17.37) 19.55,18.25 19.55,25.19 25.9,31.54 v1(25.9,37.35) ; v1(28.75,38.42) 28.75,38.42 30.5,38.42 arc(32.05,37.69) v1(32.67,36.1)
/Data+: length 33
  Top w0.25: TP4.1 50.45,16.82 50.43,16.8 ; 50.43,16.8 49.4,16.8 39.57,26.63 39.57,26.95 arc(39.39,27.39) 38.94,27.57 37.62,27.57 36.91,28.29 U1.26 ; 50.43,16.8 55.04,16.8 55.59,16.25 J2.B6 58.77,16.25 58.84,16.17 58.84,15.33 58.77,15.25 J2.A6
/Data-: length 32.9
  Top w0.25: J2.B7 57.21,14.75 arc(57.15,14.77) 57.13,14.83 57.13,15.75 ; U1.25 36.5,28.11 arc(36.85,27.29) D2.3 48.53,16.09 50.36,16.09 ; TP3.1 50.36,16.09 ; 50.36,16.09 55.13,16.09 55.46,15.75 57.13,15.75 ; 57.13,15.75 J2.A7
/HSPI_MISO: length 52.7
  Top w0.25: U1.39 37.57,35.9 v1(37.52,35.85) ; v1(33.07,80.88) 32.22,80.88 31.28,81.81 U8.20
  Bottom w0.25: v1(37.52,35.85) 37.2,35.53 36,35.53 arc(35.57,35.75) 35.4,36.2 33.8,37.8 33.8,80.15 arc(33.59,80.66) v1(33.07,80.88)
/HSPI_MOSI: length 51.7
  Top w0.25: v1(33.1,81.6) 32.38,81.6 arc(31.89,81.8) 31.69,82.29 U8.21 ; U1.40 37.72,36.3 v1(36.95,37.08)
  Bottom w0.25: v1(33.1,81.6) 33.57,81.6 arc(34.23,81.33) 34.5,80.68 34.5,38.1 35.52,37.08 v1(36.95,37.08)
/HSPI_SCLK: length 53.5
  Top w0.25: U1.38 37.95,35.5 v1(37.7,35.25) ; U8.19 30.88,81.44 arc(31.02,81.11) v1(31.35,80.97)
  Bottom w0.25: v1(37.7,35.25) 37.58,35.13 35.5,35.13 33.02,37.61 33.02,79.06 32.88,79.2 32.88,80.3 32.2,80.97 v1(31.35,80.97)
/microSD/SD1_CS: length 10.4
  Top w0.25: 38.55,33.9 48.55,33.9 arc(48.74,33.83) 48.81,33.65
/microSD/SD1_DET: length 10.4
  Top w0.25: 59.31,25.15 59.31,23.26 arc(59.03,22.58) 58.35,22.3 51.5,22.3 arc(51.42,22.26) R66.2
/microSD/VSPI_MISO: length 13
  Top w0.25: 38.55,32.7 38.56,32.69 43.73,32.69 arc(44.88,32.22) 45.35,31.08 45.35,30.86 arc(46.15,28.94) 48.07,28.15 48.81,28.15
/microSD/VSPI_MOSI: length 10.7
  Top w0.25: 38.55,33.5 47.45,33.5 48.41,32.55 J9.3
/microSD/VSPI_SCLK: length 11.8
  Top w0.25: 38.55,33.1 44.07,33.1 arc(45.33,32.58) 45.85,31.33 arc(46.13,30.65) 46.8,30.38 48.78,30.38 arc(48.8,30.37) J9.5
/Power/BBIN: length 8.1
  Top w0.2: U4.3 27.37,19.33 arc(27.34,19.18) 27.26,19.05 27.21,19 arc(26.98,18.85) 26.7,18.79
  Top w0.25: TP5.1 21.19,19.91 arc(21.37,19.48) 21.79,19.31 23.14,19.31 23.22,19.38 U3.2 ; 23.22,19.91 23.22,18.23
/Power/BBOUT: length 12.3
  Top w0.25: U5.2 U5.3
  Top w1.1: C20.1 30.4,22.55 arc(30.5,23.06) 30.79,23.49 arc(31.29,23.82) 31.88,23.94 32.76,23.94 arc(33.56,23.61) 33.89,22.81 33.89,20.51
/Power/BIAS: length 1.4
  Top w0.25: C19.1 25.61,19.93 25.59,19.91
  Top w0.31: 25.59,19.91 26.17,19.33 26.65,19.33
/Power/FBIn: length 2.6
  Top w0.25: 34.53,14.46 R17.2
  Top w0.5: R17.2 R18.1 ; U5.7 34.53,14.46
/Power/LX1:
  vias: v3(26.19,15.53) v3(26.2,14.97) v3(26.28,17.56) v3(26.84,17.56) v3(27.36,18.4) v3(27.35,15.55) v3(27.35,14.97)
/Power/LX2:
  vias: v3(28.39,18.39) v3(28.41,15.56) v3(28.41,14.98) v3(28.91,17.58) v3(29.5,17.56) v3(29.55,15.56) v3(29.55,14.97)
/Power/SEL: length 1
  Top w0.2: U4.1 28.37,20.95 arc(28.33,21.17) R16.1
/pressure_sensor/AIN0N: length 48.6
  Top w0.25: R32.2 49.15,52.96 v1(49.15,54.15) ; R32.2 51.05,52.88 arc(51.22,52.81) JP3.2 53.82,52.64 arc(54.27,52.83) J5.3 ; R32.2 arc(49.1,53.18) 48.8,53.31 C48.2 ; U8.30 35.31,85.52 35.67,85.15 v1(36.5,85.15)
  Bottom w0.25: v1(36.5,85.15) 36.6,85.15 38,83.75 38.05,83.75 37.99,83.69 37.99,74.2 38,74.2 38.28,74.2 44.18,68.3 44.25,68.3 44.25,59.05 v1(49.15,54.15)
/pressure_sensor/AIN0P: length 52
  Top w0.25: U8.29 34.59,85.12 arc(34.77,85.08) v1(34.92,84.97) ; R30.2 47.94,54.92 arc(47.67,54.26) C48.1 ; C48.1 47.01,55.45 arc(47.32,56.19) R31.2 ; C48.1 47.01,53.16 arc(47.39,52.24) 48.31,51.86 R32.1 49.23,51.14 arc(49.2,50.97) 49.1,50.83 arc(48.93,50.71) 48.74,50.67 v1(48.17,50.67)
  Bottom w0.25: v1(34.92,84.97) 36.5,83.4 arc(37.09,82.51) 37.3,81.47 37.3,73.82 41.12,70 41.12,68.05 42.3,66.88 42.3,60.1 46.4,56 46.4,52.97 arc(46.63,51.8) 47.3,50.8 arc(47.44,50.71) 47.6,50.67 v1(48.17,50.67)
